# Altium PCB Motion Detector PCB.PcbDoc (part 2 of 2)
Units mm, origin at the board's own origin, x right, y up, seen from the top; angles counter-clockwise.
Board outline 92 x 100 mm, 4 copper layers (Top Layer, Int1 (GND), Int2 (PWR), Bottom Layer), stack 1.369 mm thick; 127 components, 88 nets, 449 pads, 113 vias.
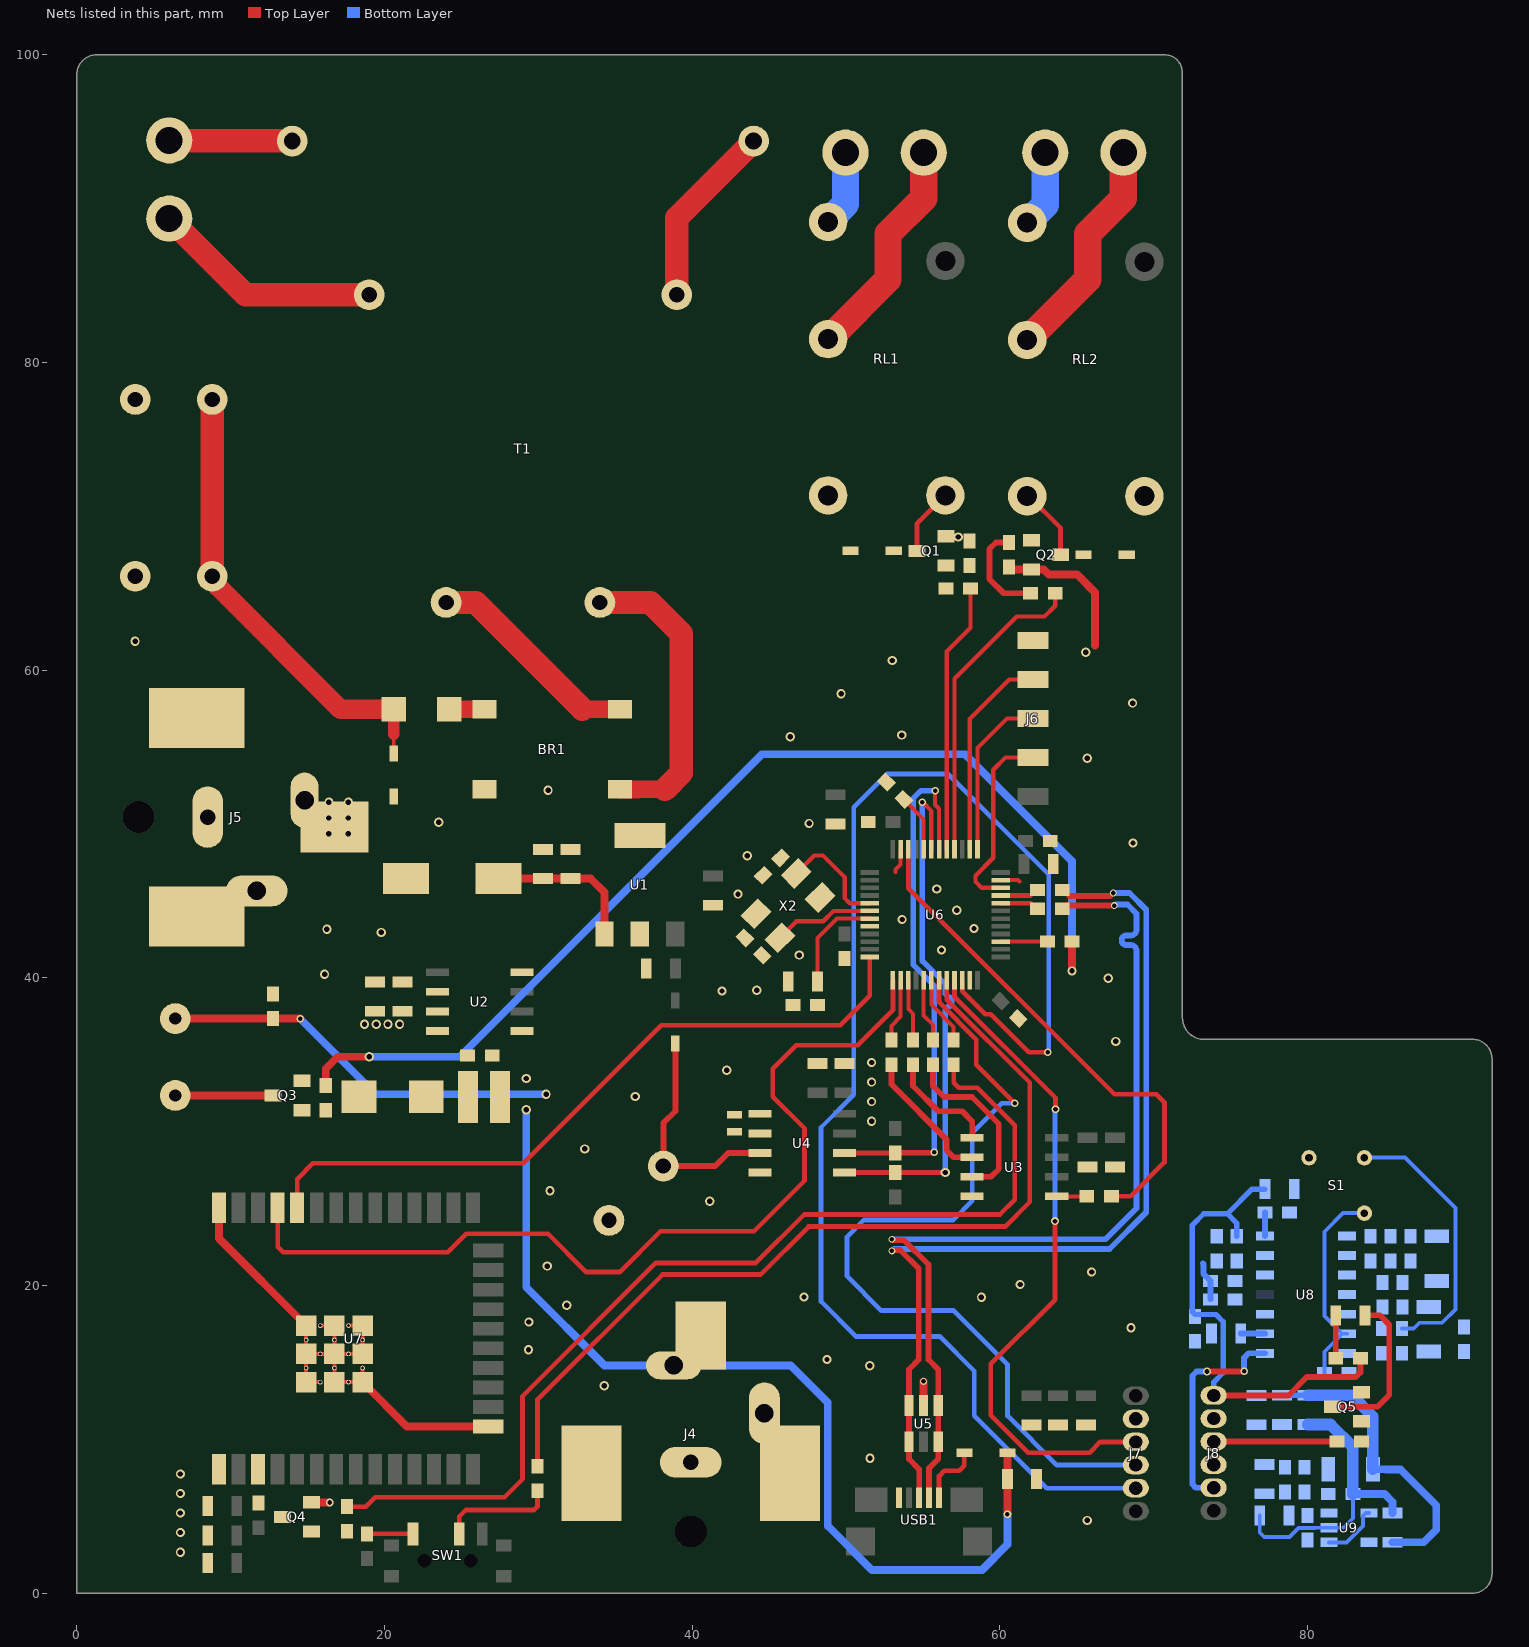
[diagram p4: the nets of this part, all layers, seen from the top]

## Via types
v1: diameter 0.6, hole 0.35, Top Layer to Bottom Layer, tented both sides, 93 vias
v2: diameter 0.5, hole 0.3, Top Layer to Bottom Layer, tented both sides, 13 vias
v3: diameter 0.45, hole 0.3, Top Layer to Bottom Layer, tented both sides, 6 vias
v4: diameter 0.5, hole 0.35, Top Layer to Bottom Layer, tented both sides, 1 vias

## Nets (pads, with @x,y where several pads share a name; then routed paths per layer and width w, separated by ;. In a path a pad name is that pad's centre, name@x,y a point inside that pad or via, vN(x,y) a via of type N, cw(c..) or ccw(c..) an arc to the next point about the centre after c; other vN are vias at no path point) (continued)
3V3DC_S: C36.2 C38.2 C42.1 C43.2 C44.2 C45.2 J8.1 R25.2 R26.2 R28.2 RT1.2 U8.14 U9.5 | length 57.2
  Top Layer w0.381: J8.1@73.9,12.85 73.902,12.852 78.765,12.852 79.959,14.046 83.134,14.046 83.439,14.351 R25.2@83.439,15.265
  Bottom Layer w0.351: R26.2@75.4,23.2 75.4,24.064 74.8,24.663 ; C38.2@77.241,26.264 76.4,26.264 74.8,24.663 ; C45.2@80.01,12.863 C44.2@78.359,12.863 78.346,12.85 C43.2@76.683,12.85 J8.1@73.9,12.85 73.9,13.702 74.524,14.326 74.524,17.633 74.042,18.115 72.698,18.115 72.516,18.297 72.516,23.923 73.256,24.663 74.8,24.663
  Bottom Layer w0.381: U8.14@77.24,23.21 C36.2@77.24,24.74
  Bottom Layer w0.508: RT1.2@84.25,8.05 85.081,8.05 85.105,8.026 86.055,8.026 88.367,5.715 88.367,4.115 87.554,3.302 C42.1@85.522,3.302
  Bottom Layer w0.762: C45.2@80.01,12.863 82.87,12.863 84.25,11.483 RT1.2@84.25,8.05
5VDC: BZ1.2 C3.2 C4.2 C5.2 C10.1 C15.2 D2.1 J4.1 L1.2 U1.1 U2.4 | length 97.9
  Top Layer w0.508: BZ1.2@6.4,37.35 C15.2@12.755,37.35 14.517,37.35 v2(14.529,37.338) ; C10.1@27.4,46.45 C5.2@30.3,46.45 C4.2@32.1,46.45 33.408,46.45 34.3,45.558 U1.1@34.3,42.85 ; v2(60.493,5.121) C3.2@60.493,7.417 60.493,8.475 D2.1@60.493,9.131
  Bottom Layer w0.508: v2(14.529,37.338) 19.431,32.436 v1(30.505,32.436) ; v1(29.21,31.42) 29.21,19.888 34.298,14.8 46.409,14.8 48.521,12.687 48.819,12.39 48.819,4.369 51.683,1.505 58.839,1.505 60.493,3.159 v2(60.493,5.121)
  other v1: 29.21,33.452
12VDC: C6.2 C7.2 D1.1 D4.1 D5.1 J5.1 RL1.5 RL2.4 U2.7 | length 0
  Top Layer w0.508: RL2.4@69.4,71.303 RL2.4@69.4,71.31
  other v1: 18.694,36.982 19.456,36.982 20.218,36.982 20.98,36.982 16.383,49.378 17.653,49.378 16.383,50.394 17.653,50.394 16.383,51.41 17.653,51.41
AC_LINE_1: J1.1 R1.1 | length 8
  Top Layer w1.524: J1.1@6,94.44 6.02,94.42 13.98,94.42 R1.1@14,94.4
AC_LINE_2: J1.2 T1.5 | length 15.1
  Top Layer w1.524: J1.2@6,89.36 10.96,84.4 T1.5@19,84.4
BUZZER: R12.1 R17.2 | length 70
  Top Layer w0.508: R12.1@16.18,32.995 16.18,34.087 16.967,34.874 v1(18.999,34.874) ; v1(64.694,40.45) R17.2@64.694,42.35
  Bottom Layer w0.508: v1(18.999,34.874) 24.879,34.874 44.544,54.539 57.741,54.539 64.694,47.587 v1(64.694,40.45)
GND: BR1.4 C1.2 C2.2 C3.1 C4.1 C5.1 C6.1 C7.1 C8.1 C9.1 C10.2 C12.1 C13.2 C14.2 C15.1 C16.2 C17.2 C18.1 C19.1 C20.1 C21.1 C22.1 C23.1 C24.1 C25.1 C26.1 C27.1 C28.1 C29.1 C30.1 C31.1 C32.1 D3.A J4.2 J4.3 J5.2 J5.3 J6.5 J7.2 Q1.2 Q2.2 Q3.2 Q4.2 R6.2 R7.2 R16.1 R18.1 U1.2 U2.6 U3.4 U4.4 U5.2 U6.8 U6.23 U6.35 U6.47 U7.1 U7.15 U7.38 U7.39 USB1.5 X2.2 X2.4 | length 53.1
  Top Layer w0.254: U7.39@14.905,17.385 U7.39@14.905,16.467 U7.39@14.905,15.55 ; U7.39@15.822,13.715 U7.39@14.905,13.715 U7.39@14.905,14.632 U7.39@14.905,15.55 ; U7.39@15.822,17.385 U7.39@16.74,17.385 U7.39@16.74,16.467 U7.39@16.74,15.55 ; U7.39@17.657,17.385 U7.39@18.575,17.385 U7.39@18.575,16.467 U7.39@18.575,15.55 U7.39@17.657,15.55 U7.39@16.74,15.55 ; U7.39@18.575,14.632 U7.39@18.575,13.715 U7.39@17.657,13.715 U7.39@16.74,13.715 U7.39@16.74,14.632 U7.39@16.74,15.55 ; 53.213,46.863 53.213,47.032 53.55,47.369 U6.47@53.55,48.35 ; U6.35@60.05,46.35 61.194,46.35 61.29,46.253 ; U7.39@14.905,15.55 U7.39@15.822,15.55 U7.39@16.74,15.55
  Top Layer w0.508: U7.38@9.24,25.05 9.24,23.05 U7.39@14.905,17.385 ; Q4.2@15.245,5.9 16.433,5.9 v2(16.44,5.893) ; U7.39@18.575,13.715 21.455,10.835 U7.15@26.75,10.835 ; U5.2@55.042,12.192 v3(55.042,13.767) ; R7.2@60.6,66.7 60.6,66.69 60.74,66.55 Q2.2@62.055,66.55 62.859,66.55 63.191,66.218 65.024,66.218 66.192,65.049 66.192,61.595
  other v1: 6.731,2.661 6.731,3.937 65.684,4.724 6.731,5.207 6.731,6.477 6.731,7.747 51.562,8.763 34.29,13.487 51.537,14.783 48.768,15.189 29.362,15.824 68.529,17.247 29.388,17.628 31.852,18.72 58.801,19.228 47.269,19.253 61.316,20.066 65.964,20.879 30.582,21.26 41.148,25.476 30.759,26.162 33.02,28.88 51.664,30.683 51.664,31.953 36.297,32.283 51.664,33.223 42.24,33.985 51.664,34.493 67.539,35.865 41.935,39.141 44.196,39.192 67.056,39.98 16.104,40.234 46.965,41.478 56.21,41.808 19.787,42.951 16.256,43.155 58.318,43.205 53.645,43.79 57.201,44.399 42.977,45.441 55.905,45.771 43.586,47.93 68.656,48.768 47.6,50.038 23.52,50.114 30.632,52.197 65.684,54.28 46.38,55.677 53.619,55.778 68.631,57.861 49.682,58.471 53.01,60.63 65.583,61.163 3.785,61.874 57.302,68.656
GND_S: C36.1 C37.1 C38.1 C40.1 C41.1 C42.2 C43.1 C44.1 C45.1 C46.1 C47.1 J8.2 Q5.2 R30.1 R31.1 R32.1 R33.1 R37.1 S1.3 U8.7 U9.2 | length 22
  Bottom Layer w0.254: C46.1@76.9,5.05 76.9,3.948 77.191,3.658 78.839,3.658 79.418,4.237 80.456,4.237 80.469,4.25 U9.2@81.4,4.25 82.331,4.25 82.95,4.869 R37.1@82.95,6.45
  Bottom Layer w0.381: 73.215,21.419 73.231,21.403 73.231,20.768 R30.1@73.7,20.3 R31.1@73.7,19.1
  Bottom Layer w0.508: R37.1@82.95,6.45 85.005,6.45 85.522,5.933 C42.2@85.522,5.202
  Bottom Layer w0.762: C45.1@80.01,10.963 81.493,10.963 82.95,9.506 R37.1@82.95,6.45
LED_DRIVER: J7.3 U6.21 | length 43.5
  Top Layer w0.305: U6.21@57.05,39.85 57.05,38.772 63.621,32.201 v2(63.621,31.464) ; v2(63.589,24.187) 63.589,19.082 59.411,14.903 59.411,11.563 61.842,9.132 65.838,9.132 66.531,9.825 J7.3@68.838,9.825
  Bottom Layer w0.305: v2(63.589,24.187) 63.589,31.432 v2(63.621,31.464)
LED_S: J8.3 R29.1 | length 8
  Top Layer w0.381: J8.3@73.9,9.85 81.046,9.85 81.051,9.855 R29.1@81.915,9.855
LIGHT_1_GND: J3.2 RL1.3 | length 5
  Bottom Layer w1.778: RL1.3@48.84,89.14 48.84,89.187 49.97,90.317 J3.2@49.97,93.65
LIGHT_1_VCC: J3.1 RL1.2 | length 14.7
  Top Layer w1.778: RL1.2@48.84,81.52 52.73,85.41 52.73,88.367 55.05,90.686 J3.1@55.05,93.65
LIGHT_2_GND: J2.2 RL2.3 | length 5.1
  Bottom Layer w1.778: RL2.3@61.78,89.09 62.95,90.26 62.95,93.514 62.916,93.548 62.95,93.582 J2.2@62.95,93.65
LIGHT_2_VCC: J2.1 RL2.2 | length 14.7
  Top Layer w1.778: RL2.2@61.82,81.52 65.71,85.41 65.71,88.367 68.03,90.686 J2.1@68.03,93.65
MCU_N: R13.1 U6.32 | length 2.6
  Top Layer w0.305: U6.32@60.05,44.841 62.017,44.841 62.37,44.488 R13.1@62.459,44.488
MCU_P: R14.1 U6.33 | length 2.6
  Top Layer w0.305: U6.33@60.05,45.354 62.017,45.354 62.37,45.707 R14.1@62.459,45.707
NetBR1_1: BR1.1 T1.9 | length 19.6
  Top Layer w1.143: BR1.1@35.3,52.245 36.456,52.245 ; 36.459,52.248 38.227,52.248
  Top Layer w1.524: T1.9@34,64.4 37.276,64.4 39.294,62.382 39.294,53.315 38.227,52.248
NetBR1_2: BR1.2 T1.7 | length 14.2
  Top Layer w1.143: 32.867,57.455 BR1.2@35.3,57.455
  Top Layer w1.524: T1.7@24,64.4 25.922,64.4 32.867,57.455
NetBR1_3: BR1.3 F1.1 | length 2.3
  Top Layer w1.143: F1.1@24.206,57.455 25.344,57.455 BR1.3@26.5,57.455
NetBZ1_1: BZ1.1 Q3.3 | length 6.4
  Top Layer w0.508: BZ1.1@6.4,32.35 Q3.3@12.755,32.35
NetC1_1: C1.1 C2.1 D1.2 F1.2 | length 29.9
  Top Layer w0.254: D1.2@20.599,54.588 20.599,55.829
  Top Layer w0.762: 20.599,55.829 20.599,56.267 20.606,56.274 F1.2@20.606,57.455
  Top Layer w1.27: C2.1@8.8,66.1 8.8,65.902 9.165,65.537 9.165,65.435 17.145,57.455 F1.2@20.606,57.455
  Top Layer w1.524: C2.1@8.8,66.1 C1.1@8.8,77.6
NetC11_1: C11.1 U2.1
NetC11_2: C11.2 D3.C L1.1 U2.8
NetC17_1: C17.1 D6.1 U4.3 | length 14.9
  Top Layer w0.381: D6.1@38.913,35.732 38.913,31.344 38.125,30.556 38.125,27.767 C17.1@38.128,27.765 41.493,27.765 42.344,28.615 U4.3@44.4,28.615
NetC18_2: C18.2 U6.5 X2.3 | length 7.4
  Top Layer w0.279: X2.3@46.762,46.78 47.93,47.949 48.508,47.949 49.911,46.545 49.911,45.187 50.248,44.85 U6.5@51.55,44.85
NetC19_2: C19.2 U6.6 X2.1 | length 6.6
  Top Layer w0.279: X2.1@45.701,42.608 46.774,43.682 48.527,43.682 49.195,44.35 U6.6@51.55,44.35
NetC33_1: C33.1 R23.1 R24.2 U8.2
NetC33_2: C33.2 R23.2 U8.1
NetC34_1: C34.1 R24.1
NetC34_2: C34.2 C35.1 R27.2 U8.3
NetC35_2: C35.2 C39.2 R27.1 U8.4
NetC37_2: C37.2 R26.1 U8.13
NetC39_1: C39.1 R32.2
NetC40_2: C40.2 S1.1 U8.6 | length 13.6
  Bottom Layer w0.254: C40.2@81.1,14.3 81.1,15.692 82.097,16.689 82.097,16.697 U8.6@82.26,16.86 ; U8.6@82.56,16.86 U8.6@82.26,16.86 ; S1.1@83.7,24.7 82.307,24.7 81.102,23.495 81.102,18.018 81.701,17.419 U8.6@82.26,16.86
NetC41_2: C41.2 R33.2 S1.2 U8.5 | length 17.9
  Bottom Layer w0.254: S1.2@83.7,28.3 83.721,28.321 86.335,28.321 89.611,25.044 89.611,18.44 88.748,17.577 87.292,17.577 86.911,17.196 C41.2@86.136,17.196
NetC46_2: C46.2 R34.1 R35.2 R36.1
NetD2_2: D2.2 USB1.1 | length 4.2
  Top Layer w0.305: USB1.1@56.05,6.2 56.05,7.612 56.401,7.963 57.366,7.963 57.693,8.29 D2.2@57.693,9.131
NetD4_2: D4.2 Q1.3 RL1.4 | length 4.4
  Top Layer w0.305: Q1.3@54.61,67.75 54.61,69.51 RL1.4@56.46,71.36
NetD5_2: D5.2 Q2.3 RL2.5 | length 4.8
  Top Layer w0.305: RL2.5@61.78,71.31 61.895,71.31 63.945,69.26 Q2.3@63.945,67.5
NetD7_1: D7.1 Q5.3 | length 10.4
  Top Layer w0.381: Q5.3@81.636,12.116 84.557,12.116 85.319,12.878 85.319,17.45 84.709,18.059 D7.1@83.739,18.059
NetD7_2: D7.2 R25.1 | length 2.8
  Top Layer w0.381: R25.1@81.839,15.265 D7.2@81.839,18.059
NetD8_1: D8.1 U8.9 | length 1.6
  Bottom Layer w0.381: D8.1@75.663,16.873 77.227,16.873 U8.9@77.24,16.86
NetD8_2: D8.2 R28.1
NetQ1_1: Q1.1 R4.1 R6.1
NetQ2_1: Q2.1 R5.1 R7.1 | length 6.5
  Top Layer w0.381: R7.1@60.6,68.3 59.747,68.3 59.322,67.875 59.322,65.926 60.247,65 R5.1@62,65
NetQ3_1: Q3.1 R12.2
NetQ4_1: Q4.1 R22.2
NetQ5_1: Q5.1 R29.2
NetR1_2: R1.2 T1.1 | length 12.1
  Top Layer w1.524: T1.1@39,84.4 39,89.4 R1.2@44,94.4
NetR2_2: R2.2 SW1.1 | length 3
  Top Layer w0.279: R2.2@18.85,3.85 SW1.1@21.85,3.85
NetR3_2: R3.2 SW1.2 | length 7.5
  Top Layer w0.305: SW1.2@24.85,3.85 24.85,4.981 25.273,5.404 29.712,5.404 29.947,5.639 29.947,5.783 29.95,5.786 R3.2@29.95,6.65
NetR4_2: R4.2 U6.41 | length 17.6
  Top Layer w0.279: U6.41@56.55,48.35 56.55,61.211 58.1,62.761 R4.2@58.1,65.3
NetR5_2: R5.2 U6.40 | length 20.4
  Top Layer w0.279: U6.40@57.05,48.35 57.05,59.438 61.1,63.487 62.903,63.487 63.6,64.184 R5.2@63.6,65
NetR8_2: R8.2 U3.1 | length 7.3
  Top Layer w0.374: R8.2@54.35,34.35 54.35,32.969 55.994,31.325 57.556,31.325 58.2,30.681 U3.1@58.2,29.605
NetR9_2: R9.2 U3.3 | length 11.6
  Top Layer w0.374: R9.2@55.65,34.35 55.65,32.971 56.375,32.245 58.191,32.245 59.938,30.499 59.938,27.578 59.425,27.065 U3.3@58.2,27.065
NetR10_2: R10.2 U3.2 | length 8.9
  Top Layer w0.374: R10.2@52.95,34.35 52.95,33.08 56.553,29.477 56.553,28.778 56.996,28.335 U3.2@58.2,28.335
NetR11_2: R11.2 U3.5 | length 1.9
  Top Layer w0.254: U3.5@63.7,25.795 R11.2@65.645,25.795
NetR15_1: R15.1 U6.18 | length 4.5
  Top Layer w0.254: U6.18@55.55,39.85 55.55,38.26 57,36.81 R15.1@57,35.95
NetR17_1: R17.1 U6.27 | length 3
  Top Layer w0.254: U6.27@60.05,42.35 R17.1@63.094,42.35
NetR18_2: R18.2 U6.44 | length 3.8
  Top Layer w0.254: R18.2@53.759,51.6 55.05,50.309 U6.44@55.05,48.35
NetR30_2: R30.2 U8.12
NetR31_2: R31.2 U8.10
NetR35_1: R35.1 U9.1 U9.4 | length 3.8
  Bottom Layer w0.254: U9.1@81.4,3.3 82.548,3.3 83.617,4.369 83.617,5.027 83.79,5.2 U9.4@84,5.2
NetR37_2: R37.2 RT1.1 U9.3
NetU4_1: U4.1 X1.2
NetU4_2: U4.2 X1.1
NRST: C20.2 R16.2 U6.7 | length 6.8
  Top Layer w0.254: C20.2@48.15,39.75 48.15,42.587 49.413,43.85 U6.7@51.55,43.85
PIR_DETECT: J8.5 U8.8 | length 14.3
  Top Layer w0.381: v2(73.466,14.404) 73.474,14.412 v2@75.842,14.412
  Bottom Layer w0.381: v2(73.466,14.404) 72.79,14.404 72.52,14.134 72.52,7.073 72.743,6.85 J8.5@73.9,6.85 ; v2(75.882,14.421) 75.882,15.3 76.173,15.59 U8.8@77.24,15.59
PIR_DETECTOR: J7.5 U6.22 | length 96
  Top Layer w0.305: U6.22@57.55,39.85 57.552,39.848 57.552,39.131 59.059,37.624 59.417,37.624 61.881,35.16 v2(63.113,35.16)
  Bottom Layer w0.305: v2(63.113,35.16) 63.15,35.197 63.15,35.324 63.176,35.35 63.176,46.717 56.648,53.245 52.648,53.245 50.495,51.092 50.495,32.391 48.374,30.27 48.374,18.961 50.648,16.688 56.09,16.688 58.337,14.44 58.337,11.532 63.044,6.825 J7.5@68.838,6.825
RTC_SCL: R19.1 U4.6 U6.42 | length 35
  Top Layer w0.279: v2(55.804,52.172) 55.792,52.16 55.792,51.249 56.05,50.991 U6.42@56.05,48.35
  Top Layer w0.349: U4.6@49.9,28.615 52.424,28.615 52.426,28.613 R19.1@53.2,28.613 53.219,28.632 55.709,28.632 v2(55.728,28.651)
  Bottom Layer w0.349: v2(55.728,28.651) 55.728,39.493 54.363,40.858 54.363,51.659 54.876,52.172 v2(55.804,52.172)
RTC_SDA: R20.1 U4.5 U6.43 | length 35
  Top Layer w0.279: v2(54.966,51.41) 54.985,51.41 55.55,50.844 U6.43@55.55,48.35
  Top Layer w0.349: U4.5@49.9,27.345 52.424,27.345 52.426,27.343 R20.1@53.2,27.343 v1(56.451,27.343)
  Bottom Layer w0.349: v2(54.966,51.41) 54.966,41.084 56.451,39.599 56.451,38.951 56.656,38.746 56.749,38.746 56.87,38.625 56.87,38.263 56.749,38.143 56.656,38.143 56.451,37.938 56.451,37.16 v1(56.451,27.343)
SENSOR_ON/OFF: R3.1 U6.20 | length 58.3
  Top Layer w0.305: R3.1@29.95,8.25 29.95,12.589 38.075,20.714 44.45,20.714 47.568,23.832 60.35,23.832 61.944,25.425 61.944,33.195 56.55,38.589 U6.20@56.55,39.85
SWCLK: J6.3 U6.37 | length 11
  Top Layer w0.279: U6.37@58.55,48.35 58.55,54.943 60.465,56.858 J6.3@62.154,56.858
SWDIO: J6.2 U6.34 | length 12.5
  Top Layer w0.279: U6.34@60.05,45.85 58.817,45.85 58.414,46.253 58.414,46.641 59.576,47.803 59.576,53.53 60.363,54.318 J6.2@62.154,54.318
TDI: J6.4 U6.38 | length 13.6
  Top Layer w0.279: U6.38@58.05,48.35 58.05,56.831 60.617,59.398 J6.4@62.154,59.398
TEMPERATURE_ADC: J7.4 U6.19 | length 55.5
  Top Layer w0.305: U6.19@56.05,39.85 56.05,38.407 58.471,35.986 58.471,34.347 v2(60.966,31.852)
  Bottom Layer w0.305: v2(60.966,31.852) 60.134,31.852 58.217,29.934 58.217,25.514 56.959,24.257 51.156,24.257 50.07,23.171 50.07,20.606 52.305,18.371 56.991,18.371 60.503,14.859 60.503,11.519 63.696,8.325 J7.4@68.838,8.325
TMP_ADC: C47.2 J8.4 R34.2 R36.2
TMP_IN_CS: R10.1 U6.14 | length 4.1
  Top Layer w0.254: R10.1@52.95,35.95 52.95,36.881 53.55,37.481 U6.14@53.55,39.85
TMP_IN_OT: R11.1 U6.46 | length 33.2
  Top Layer w0.305: U6.46@54.05,48.35 54.052,48.348 54.052,45.833 67.456,32.429 70.18,32.429 70.701,31.909 70.701,27.997 68.504,25.8 R11.1@67.25,25.8
TMP_IN_SCKL: R8.1 U6.15 | length 4
  Top Layer w0.254: U6.15@54.05,39.85 54.05,37.961 54.35,37.661 R8.1@54.35,35.95
TMP_IN_SIO: R9.1 U6.17 | length 4.1
  Top Layer w0.254: U6.17@55.05,39.85 55.05,37.55 55.65,36.95 R9.1@55.65,35.95
USB_N: R13.2 U5.1 U5.6 USB1.2 | length 61.1
  Top Layer w0.374: v3@52.997,22.942 53.778,22.942 55.356,21.364 55.356,15.178 55.992,14.542 U5.1@55.992,12.192 U5.6@55.992,9.842 55.992,8.714 55.389,8.112 55.389,6.211 USB1.2@55.4,6.2 ; R13.2@64.059,44.488 64.265,44.695 64.97,44.695 64.971,44.696 v3(67.441,44.696)
  Bottom Layer w0.374: v3@53.018,23.005 66.865,23.005 68.885,25.025 68.885,41.567 68.885,41.754 ccw(c68.511,41.754) 68.511,42.128 68.238,42.128 cw(c68.238,42.442) 68.238,42.756 68.511,42.756 ccw(c68.511,43.13) 68.885,43.13 68.885,43.707 68.885,44.172 68.294,44.763 67.542,44.763 67.475,44.696 v3(67.441,44.696)
  other v3: 52.984,23.005
USB_P: R14.2 U5.3 U5.4 USB1.3 | length 61.1
  Top Layer w0.374: v3@52.997,22.314 53.518,22.314 54.728,21.104 54.728,15.178 54.092,14.542 U5.3@54.092,12.192 U5.4@54.092,9.842 54.092,8.714 54.761,8.045 54.761,6.211 USB1.3@54.75,6.2 ; R14.2@64.059,45.707 64.148,45.707 64.531,45.324 67.16,45.324 67.353,45.517 v3(67.373,45.517)
  Bottom Layer w0.374: v3(52.984,22.251) 53.018,22.251 53.144,22.377 67.125,22.377 69.513,24.764 69.513,44.432 68.428,45.517 v3(67.373,45.517)
WIFI_EN: R15.2 R22.1 | length 65.9
  Top Layer w0.305: R22.1@17.57,5.62 18.771,5.62 19.393,6.242 27.8,6.242 28.969,7.41 28.969,12.789 37.643,21.463 44.139,21.463 47.288,24.613 60.008,24.613 60.966,25.571 60.966,30.429 58.547,32.849 57.328,32.849 57,33.176 R15.2@57,34.35
WIFI_OUT: Q4.3 R21.2 U7.3
WIFI_RXD: U6.12 U7.34 | length 46.6
  Top Layer w0.305: U7.34@14.32,25.05 14.32,26.918 15.348,27.946 29.019,27.946 37.986,36.913 49.638,36.913 51.55,38.825 U6.12@51.55,41.35
WIFI_TXD: U6.13 U7.35 | length 60.4
  Top Layer w0.305: U7.35@13.05,25.05 13.05,22.523 13.418,22.155 24.105,22.155 25.305,23.355 30.626,23.355 33.109,20.872 35.293,20.872 37.941,23.52 44.018,23.52 47.301,26.803 47.301,30.207 45.231,32.277 45.231,34.087 46.755,35.611 50.775,35.611 53.05,37.886 U6.13@53.05,39.85
pads on no net: J4. J5. J7.6 J8.6 RL1.1 RL2.1 SW1. SW1.3 U2.2 U2.3 U2.5 U3.6 U3.7 U4.7 U6.1 U6.2 U6.3 U6.4 U6.10 U6.11 U6.16 U6.25 U6.26 U6.28 U6.29 U6.30 U6.31 U6.39 U6.45 U7.4 U7.5 U7.6 U7.7 U7.8 U7.9 U7.10 U7.11 U7.12 U7.13 U7.14 U7.16 U7.17 U7.18 U7.19 U7.20 U7.21 U7.22 U7.23 U7.24 U7.25 U7.26 U7.27 U7.28 U7.29 U7.30 U7.31 U7.32 U7.33 U7.36 U7.37 U8.11 USB1. USB1.4

## Polygon pours and split planes (outlines as drawn)
GND on Top Layer "GND_L01_P011" (solid, pour order 11): 6.375,77.648 6.375,79.096 4.547,80.924 2.438,80.924 1.575,80.061 1.575,32.868 7.671,26.772 26.899,26.772 28.169,25.502 28.169,12.675 30.963,9.881 30.963,2.235 32.004,1.194 68.936,1.194 71.349,3.607 71.349,61.239 69.494,63.094 48.641,63.094 41.326,55.778 15.291,55.778 6.426,64.643 6.426,66.929
GND_S on Top Layer "GND_S_L01_P017" (solid, pour order 17): 72.194,34.857 72.63,35.293 90.685,35.293 91.246,34.732 91.246,1.288 90.698,0.739 72.915,0.739 72.266,1.389
GND on Top Layer "Top Layer-GND" (solid, pour order 10): 19.409,11.922 20.406,12.919 20.406,18.463 19.212,19.656 14.145,19.523 6.191,11.569 6.191,2.255 7.233,1.276 9.69,1.276 9.69,10.992 10.62,11.922
3V3DC on Top Layer "3V3DC_L01_P006" (solid, pour order 6): 52.578,49.771 53.524,49.771 53.524,50.652 51.533,52.643 44.117,52.643 38.088,46.614 38.088,37.997 38.243,37.883 39.563,37.883 39.918,38.238 39.918,45.489 40.617,46.188 42.107,46.188 42.107,47.982 45.255,51.13 52.07,51.13 52.578,50.622
5VDC on Top Layer "5VDC_L01_P000" (solid, pour order 0): 26.821,34.188 26.848,30.531 30.531,30.531 32.683,32.683 32.683,41.713 29.108,45.288 29.108,47.904 28.727,48.285 26.035,48.285 25.273,47.523 25.273,42.113 27.416,39.649 30.455,39.649 30.582,39.522 30.582,34.544 30.274,34.188
GND_S on Bottom Layer "GND_S_L04_P016" (solid, pour order 16): 72.144,34.866 72.58,35.302 90.635,35.302 91.196,34.741 91.196,1.297 90.648,0.748 72.865,0.748 72.215,1.398
GND on Bottom Layer "Bottom Layer-GND" (solid, pour order 15): 5.613,2.261 6.883,0.991 68.478,0.991 71.196,3.708 71.349,61.239 69.571,63.017 69.571,63.068 48.717,63.068 41.377,55.728 9.617,55.728 5.766,60.203 5.766,78.588 4.775,79.578 1.981,79.553 1.422,78.994 1.422,45.974 20.726,26.67 26.924,26.67 26.924,26.492 28.092,25.324 28.092,6.35 6.604,6.35 5.613,5.359
5VDC on Int2 (PWR) (split plane): 30.387,34.807 32.053,33.141 32.053,31.934 28.736,28.617 28.688,28.559 28.653,28.493 28.631,28.421 28.624,28.346 28.624,27.229 28.624,25.552 28.631,25.478 28.653,25.406 28.688,25.34 28.736,25.282 32.724,21.294 32.782,21.246 32.848,21.211 32.92,21.189 32.995,21.182 36.341,21.182 41.4,16.123 41.4,12.808 41.345,12.753 37.846,12.753 37.771,12.745 37.699,12.724 37.633,12.688 37.575,12.641 34.893,9.959 30.537,9.959 30.37,10.126 25.808,14.687 25.808,32.639 25.808,33.522 27.159,34.872 30.321,34.872
3V3DC_S on Int2 (PWR) (split plane): 72.546,35.635 72.723,35.572 72.905,35.526 73.091,35.499 73.276,35.49 73.279,35.49 90.73,35.49 90.743,35.491 90.849,35.482 90.965,35.455 91.076,35.409 91.178,35.346 91.269,35.269 91.346,35.178 91.409,35.076 91.455,34.965 91.482,34.849 91.491,34.743 91.49,34.73 91.49,1.27 91.491,1.257 91.482,1.151 91.455,1.035 91.409,0.924 91.346,0.822 91.269,0.731 91.178,0.654 91.076,0.591 90.965,0.545 90.849,0.518 90.743,0.509 90.73,0.51 72.036,0.51 72.036,35.347 72.396,35.707
12VDC on Int2 (PWR) (split plane): 50.721,73.111 50.721,72.295 50.721,70.256 50.731,70.183 50.751,70.135 50.759,70.115 50.804,70.057 54.182,66.679 54.24,66.634 54.26,66.626 54.308,66.606 54.381,66.596 64.313,66.596 64.386,66.606 64.434,66.626 64.454,66.634 64.512,66.679 67.865,70.032 67.91,70.09 67.918,70.11 67.938,70.158 67.947,70.231 67.947,72.781 68.494,73.327 70.063,73.327 70.762,72.629 70.762,67.046 58.119,54.403 23.768,54.403 23.695,54.393 23.627,54.365 23.569,54.32 19.308,50.059 19.263,50.001 19.255,49.981 19.235,49.933 19.225,49.86 19.225,47.117 19.235,47.044 19.255,46.996 19.263,46.976 19.308,46.918 22.273,43.952 22.273,36.515 21.702,35.943 18.303,35.943 16.919,37.328 16.919,45.517 16.909,45.59 16.881,45.658 16.836,45.716 13.388,49.164 13.388,54.188 18.373,59.173 47.041,59.173 47.114,59.183 47.162,59.203 47.182,59.211 47.24,59.256 49.348,61.364 49.393,61.422 49.421,61.49 49.431,61.563 49.431,63.144 49.431,67.107 49.421,67.18 49.393,67.248 49.348,67.306 47.323,69.332 47.323,72.527 48.555,73.759 50.074,73.759
3V3DC on Int2 (PWR) (split plane): 71.364,37.405 71.364,37.401 71.373,37.217 71.401,37.031 71.446,36.849 71.51,36.672 71.526,36.638 70.949,36.061 70.884,35.985 70.832,35.9 70.794,35.808 70.77,35.71 70.762,35.611 70.762,0.51 0.51,0.51 0.51,60.401 37.821,60.401 37.821,60.503 46.457,60.503 46.457,75.082 71.353,75.082
GND_S on Int1 (GND) (split plane): 72.215,35.812 72.376,35.716 72.546,35.635 72.723,35.572 72.905,35.526 73.091,35.499 73.276,35.49 73.279,35.49 90.73,35.49 90.743,35.491 90.849,35.482 90.965,35.455 91.076,35.409 91.178,35.346 91.269,35.269 91.346,35.178 91.409,35.076 91.455,34.965 91.482,34.849 91.491,34.743 91.49,34.73 91.49,1.27 91.491,1.257 91.482,1.151 91.455,1.035 91.409,0.924 91.346,0.822 91.269,0.731 91.178,0.654 91.076,0.591 90.965,0.545 90.849,0.518 90.743,0.509 90.73,0.51 72.011,0.51 72.011,35.804 72.103,35.896
GND on Int1 (GND) (split plane): 6.756,69.825 6.756,58.217 47.142,58.217 47.142,69.825 71.354,69.825 71.364,37.405 71.364,37.401 71.373,37.217 71.401,37.031 71.415,36.975 71.355,36.939 71.279,36.874 70.924,36.518 70.859,36.442 70.806,36.357 70.768,36.265 70.745,36.168 70.737,36.068 70.737,0.51 0.51,0.51 0.51,6.452 5.283,6.452 5.283,27.711 5.232,27.711 5.232,27.864 0.51,27.864 0.51,80.086 6.756,80.086

## Keep-outs
Top Layer:
  circle w0.254: c65.418,37.732 r0.905
Keep-Out Layer:
  lines w0.254: 0,0 0,98.73 ; 0,0 90.73,0 ; 0,0 90.73,0 ; 0,98.73 cw(c1.27,98.73) 1.27,100 ; 0,98.73 cw(c1.27,98.73) 1.27,100 ; 1.27,100 70.732,100 ; 1.27,100 70.732,100 ; 70.732,100 cw(c70.732,98.876) 71.856,98.876 ; 70.732,100 cw(c70.732,98.876) 71.856,98.876 ; 71.856,98.876 71.874,37.405 ; 71.856,98.876 71.874,37.405 ; 71.874,37.405 ccw(c73.279,37.405) 73.279,36 ; 71.874,37.405 ccw(c73.279,37.405) 73.279,36 ; 73.279,36 90.73,36 ; 73.279,36 90.73,36 ; 90.73,0 ccw(c90.73,1.27) 92,1.27 ; 90.73,0 ccw(c90.73,1.27) 92,1.27 ; 90.73,36 cw(c90.73,34.73) 92,34.73 ; 90.73,36 cw(c90.73,34.73) 92,34.73 ; 92,1.27 92,34.73 ; 92,1.27 92,34.73

## Other copper
Top Layer:
  region: 65.915,37.725 ccw(c65.415,37.725) 65.415,38.225 ccw(c65.415,37.725) 64.915,37.725 ccw(c65.415,37.725) 65.415,37.225 ccw(c65.415,37.725)
  region net 3V3DC_S: 74.93,13.005 74.342,13.593 73.334,13.593 73,13.259 73,12.548 73.33,12.217 74.447,12.217 74.93,12.7
  region net NetU4_2: 43.142,29.766 43.777,29.766 43.777,30.118 43.142,30.118
  region net LED_S: 74.93,10.005 74.473,10.462 73.203,10.462 73,10.259 73,9.548 73.33,9.217 74.447,9.217 74.93,9.7
  region net GND_S: 74.93,11.505 74.473,11.962 73.203,11.962 73,11.759 73,11.048 73.33,10.717 74.447,10.717 74.93,11.2
  region net NetQ5_1: 83.058,10.211 83.058,10.846 83.972,10.846 83.972,10.211
  pour cut-out: 61.059,46.228 60.579,45.748 60.579,44.298 61.062,43.815 67.793,43.815 68.25,44.272 68.25,45.568 67.589,46.228
  region net 3V3DC: 58.674,39.294 60.122,37.846 60.173,37.846 60.706,38.379 60.706,38.481 58.75,40.437 58.445,40.437 58.445,39.294
  region net GND: 55.982,68.199 57.226,68.199 57.455,67.97 58.395,67.97 58.395,68.809 58.115,69.088 55.982,69.088
  region net 3V3DC: 14.354,2.829 14.592,2.591 14.592,1.918 14.364,1.689
  region net 3V3DC: 12.205,3.569 12.205,3.315 12.287,3.232 12.459,3.232
  region net 3V3DC: 12.236,3.283 14.097,3.283 14.395,2.984 14.395,1.257 12.236,1.257
  region net NetQ4_1: 15.773,4.388 17.558,4.388 17.558,3.613 15.773,3.613
  region net WIFI_OUT: 11.328,9.061 11.328,5.271 12.471,5.271 12.757,4.985 12.757,4.47 13.989,4.47 13.989,6.09 12.268,6.09 12.255,9.068
  region net 3V3DC: 10.065,1.257 12.236,1.257 12.236,4.731 12.141,4.826 10.954,4.826 10.763,5.016 10.763,6.826 10.973,7.036 10.973,9.055 10.935,9.093 10.065,9.093 10.033,9.061
  region net NetU4_1: 43.123,30.918 43.758,30.918 43.758,31.318 43.682,31.318 43.123,31.318
  region net 3V3DC: 60.623,46.711 62.049,46.725 62.198,46.867 62.198,49.289 62.128,49.359 61.233,49.359 61.138,49.263 61.138,47.06 61.093,46.996 60.623,46.996
  region net NetC18_2: 46.123,48.047 45.501,47.425 45.501,47.419 46.212,46.707 46.212,46.701 46.218,46.701 46.841,47.33
  region net NetC19_2: 44.367,41.91 44.99,41.288 44.996,41.288 45.707,41.999 45.714,41.999 45.714,42.005 45.085,42.628
  region net 12VDC: 49.454,69.259 49.822,68.777 49.822,69.075
  region net 12VDC: 49.822,67.964 50.791,67.964 50.724,72.079 49.822,72.822 47.993,72.822 47.454,72.282 47.485,70.225 49.822,69.075
  region net 12VDC: 67.774,67.748 67.774,72.104 68.624,72.955 69.964,72.955 70.91,72.009 70.91,70.453 68.72,68.263 68.72,67.748
  region net NetQ2_1: 62.56,68.161 62.56,68.694 60.376,68.694 60.376,68.161
  region net NetD5_2: 65.45,67.233 65.45,67.767 63.945,67.767 63.945,67.233
  region net NetQ1_1: 56.233,65.3 56.767,65.3 56.767,67.067 56.233,67.067
  region net NetQ1_1: 56.5,67.067 56.5,66.533 58.35,66.533 58.35,67.067
  region net NetD4_2: 52.743,68.015 52.743,67.481 55.131,67.481 55.131,67.92 55.131,68.015
  region net 3V3DC: 66.893,29.947 65.049,29.947 64.719,29.851 62.954,29.851 62.954,29.363 64.745,29.363 65.049,29.261 66.893,29.261
  region net NRST: 47.816,39.802 47.816,38.202 48.374,38.202 48.4,38.202 48.476,38.202 48.476,39.827
  region net 3V3DC: 61.494,12.274 69.384,12.229 69.688,12.532 69.688,13.193 69.459,13.422 67.177,13.422 66.542,14.057 66.542,14.657 65.822,15.377 61.893,15.377 61.056,14.54 61.056,12.665
  region net 3V3DC: 50.463,30.79 50.593,30.79 50.788,30.985 50.788,32.762 50.471,33.079 46.184,33.079 46.184,32.176 48.291,30.784
  region net NetQ3_1: 14.62,31.75 16.18,31.75 16.18,31.039 14.62,31.039
  region net NetC11_1: 26.594,35.458 26.441,35.331 26.441,34.595 26.543,34.493 29.439,34.493 29.718,34.773 29.718,36.805 29.667,36.855 28.194,36.855
  region net NetC11_2: 22.682,36.83 22.682,34.493 21.539,33.35 21.539,31.14 22.149,30.531 26.086,30.531 26.086,33.96 25.908,34.138 25.908,35.382 25.095,35.382 24.232,36.246 24.232,36.83
  region net 12VDC: 18.288,38.202 21.844,38.202 21.946,38.1 24.206,38.1 24.257,38.049 24.257,37.541 22.733,37.541 22.25,37.541 21.107,36.398 18.288,36.398
  region net 12VDC: 20.904,52.349 20.904,51.232 20.295,51.232 18.999,49.936 18.999,48.108 14.503,48.108 13.843,48.768 13.843,53.289 13.97,53.416 15.392,53.416 16.358,52.349
Bottom Layer:
  region net NetD8_2: 73.711,16.308 73.711,16.756 72.796,16.756 72.796,16.308
  region net GND: 14.096,19.596 14.215,19.618 19.225,19.618 20.381,18.462 20.381,12.216 21.55,11.047 25.324,11.047 25.658,11.381 28.42,11.381 28.42,10.352 28.435,10.338 28.336,10.239 25.669,10.239 25.663,10.245 25.195,10.245 24.835,10.605 24.823,10.593 21.336,10.593 21.336,10.623 20.032,11.927 10.678,11.927 7.52,8.769 7.52,6.238 7.165,5.883 5.838,5.883 5.693,6.028 5.693,11.108 13.051,18.466 13.051,18.885 9.005,22.93 9.005,23.444 8.676,23.773 8.676,24.039 8.686,24.049 8.686,24.758 8.922,24.994 9.549,24.994 9.826,24.717 9.826,23.526 9.806,23.506 13.823,19.657 14.041,19.586
  region net NetR37_2: 81.039,6.582 81.674,6.582 81.674,7.497 81.039,7.497
  region net GND_S: 82.405,14.533 83.04,14.533 83.04,15.448 82.405,15.448
  region net 3V3DC_S: 75.279,24.925 75.279,24.241 75.236,24.199 75.018,24.416 75.018,24.795
  region net NetC37_2: 75.159,21.26 75.159,21.895 74.244,21.895 74.244,21.26
  region net NetC34_1: 87.808,22.86 87.808,23.495 86.893,23.495 86.893,22.86
  region net NetC33_2: 83.972,22.936 83.972,23.47 83.058,23.47 83.058,22.936
  region net NetC33_2: 85.166,22.86 85.166,23.495 84.252,23.495 84.252,22.86
  region net NetC33_1: 85.166,21.26 85.166,21.895 84.252,21.895 84.252,21.26
  region net NetC33_1: 86.614,21.26 86.614,21.895 85.7,21.895 85.7,21.26
  region net NetC33_1: 83.109,21.666 83.49,21.361 83.744,21.184 83.744,21.92 83.744,22.047 83.109,22.073
  region net NetC34_2: 83.007,20.396 83.464,20.396 84.531,19.787 84.531,20.574 83.82,20.93 83.007,20.93
  region net NetC34_2: 86.03,19.888 86.03,20.523 85.115,20.523 85.115,19.888
  region net NetC34_2: 87.655,19.914 87.655,20.549 86.462,20.549 86.462,19.914
  region net NetC35_2: 83.083,19.126 83.541,19.126 84.531,18.136 84.531,19.025 83.896,19.66 83.083,19.66
  region net NetC35_2: 85.979,18.237 85.979,18.872 85.065,18.872 85.065,18.237
  region net NetC35_2: 87.274,18.263 87.274,18.898 86.36,18.898 86.36,18.263
  region net NetC39_1: 89.916,15.354 89.916,15.989 88.595,15.989 88.595,15.354
  region net NetC41_2: 86.487,16.739 84.252,16.739 83.109,17.882 82.042,17.882 82.042,18.313 82.017,18.339 83.718,18.339 84.455,17.602 86.487,17.602
  region net GND_S: 81.991,15.85 84.252,15.85 84.455,16.053 86.512,16.053 86.512,15.138 84.48,15.138 84.303,15.316 82.017,15.316 81.991,15.342
  region net NetR31_2: 77.851,18.466 76.606,18.466 75.794,19.279 75.794,19.507 74.803,19.507 74.803,18.694 75.743,18.694 76.606,17.831 77.851,17.831
  region net NetR30_2: 76.632,20.904 76.632,20.676 76.378,20.676
  region net NetR30_2: 75.768,20.142 75.768,20.371 76.022,20.371
  region net NetR30_2: 77.826,20.371 77.826,20.955 76.632,20.955 76.632,20.676 74.828,20.676 74.828,19.914 75.768,19.914 75.768,20.371
  region net NetC37_2: 77.761,21.68 77.761,22.133 76.718,22.133 76.566,21.981 75.093,21.981 75.067,21.955 75.067,21.196 75.782,21.196 76.266,21.68
  region net 3V3DC_S: 77.546,25.883 76.911,25.883 76.911,24.968 77.546,24.968
  region net GND_S: 77.216,6.35 76.581,6.35 76.581,5.436 77.216,5.436
  region net 3V3DC_S: 85.141,3.023 85.141,3.556 84.226,3.556 84.226,3.023
  region net NetR35_1: 81.026,3.048 81.026,3.531 80.112,3.531 80.112,3.048
  region net NetR37_2: 81.026,5.334 81.661,5.334 81.661,6.248 81.026,6.248
  region net NetC46_2: 78.892,5.334 78.892,4.699 79.807,4.699 79.807,5.334
  region net NetC46_2: 80.137,6.248 79.654,6.248 79.654,5.334 80.137,5.334
  region net NetC46_2: 79.604,6.248 79.604,6.883 78.689,6.883 78.689,6.248
  region net TMP_ADC: 80.035,7.671 80.188,7.671 80.239,7.722 80.239,8.636 80.162,8.712 74.651,8.712 74.397,8.966 73.228,8.966 73.025,8.763 73.025,8.052 73.381,7.696 74.828,7.696 74.879,7.696 74.93,7.696 78.13,7.696
  region net GND_S: 73.177,11.962 73,11.784 73,10.946 73.228,10.717 75.819,10.717 76.048,10.592 80.62,10.541 80.721,10.643 80.721,11.227 80.594,11.354 75.157,11.354 74.549,11.962
  region net 5VDC: 37.373,15.723 36.703,14.961 36.703,14.453 37.287,13.868 40.322,13.868 40.843,14.554 40.843,15.037 40.231,15.723
  region net 5VDC: 28.475,30.785 28.983,30.277 29.437,30.277 29.868,30.785
  region net 5VDC: 27,32.969 26.568,32.69 26.568,32.182 27,31.852
  region net 5VDC: 27.216,33.972 27.051,33.858 26.873,33.757 26.873,30.81 27.102,30.582 30.328,30.582 31.09,31.344 31.09,33.503 30.683,33.909 30.201,33.909
Int1 (GND) (plane layer: these items are gaps in the copper):
  rectangle: 72.561,10.405 75.105,12.601
  rectangle: 67.493,10.24 70.085,12.717
  rectangle: 15.58,16.248 16.053,16.705
  rectangle: 16.507,15.342 16.981,15.782
  rectangle: 17.43,16.235 17.877,16.688
  rectangle: 17.436,14.401 17.862,14.888
  rectangle: 15.601,14.387 16.053,14.866
  rectangle: 6.756,58.217 47.142,70.46
  rectangle: 6.756,69.825 71.831,80.493
  rectangle: 0.203,80.086 71.831,99.67
  rectangle: 0,6.604 5.232,27.864
  rectangle: 0.051,6.452 5.283,27.711
  lines w1.27: 71.374,0.305 71.374,36.068 71.73,36.424
Int2 (PWR) (plane layer: these items are gaps in the copper):
  rectangle: 72.795,12.051 74.96,13.966
  rectangle: 37.694,60.503 46.457,75.514
  rectangle: 0.152,60.401 37.821,75.438
  rectangle: 0.229,75.082 71.933,99.593
  lines w0.559: 13.106,49.047 16.637,45.517 16.637,37.211 18.186,35.662 20.637,35.662 21.819,35.662 22.555,36.398 22.555,44.069 19.507,47.117 19.507,49.86 23.768,54.121 58.236,54.121 71.044,66.929 71.044,72.746 70.18,73.609 68.377,73.609 67.666,72.898 67.666,70.231 64.313,66.878 54.381,66.878 51.003,70.256 51.003,72.295 51.003,73.228 50.19,74.041 48.438,74.041 47.041,72.644 47.041,69.215 49.149,67.107 49.149,63.144 49.149,61.563 47.041,59.455 18.256,59.455 13.106,54.305 13.106,49.047
  lines w0.762: 25.425,14.529 25.425,32.639 25.425,33.68 27,35.255 30.48,35.255 30.658,35.077 32.436,33.299 32.436,31.775 29.007,28.346 29.007,27.229 29.007,25.552 32.995,21.565 36.5,21.565 41.783,16.281 41.783,12.649 41.504,12.37 37.846,12.37 35.052,9.576 30.378,9.576 30.099,9.855 25.425,14.529
  lines w1.27: 71.399,0 71.399,35.611 72.06,36.271

## Silkscreen, mask and mechanical layers (free items; w line width, h text height)
Top Overlay:
  drawing of 3010 lines, arcs and shapes, not listed
  text "220V AC" at 2.703,98.499 h0.8
  text "12V DC" at 13.453,56.98 h0.8
  text "Prog." at 67.579,48.959 h0.8
  text "Designed by M.Fatih Ağaoğlu" at 70.415,18.159 h1 r90
  text "5V DC" at 32.374,16.894 h0.8
Top Solder:
  region: 65.921,37.729 ccw(c65.421,37.729) 65.421,38.229 ccw(c65.421,37.729) 64.921,37.729 ccw(c65.421,37.729) 65.421,37.229 ccw(c65.421,37.729)
Route Tool Path:
  lines w0.1: 71.584,4.703 71.584,5.155 ; 71.584,5.86 71.584,5.409 71.587,5.406 ; 71.589,3.991 71.589,4.442 ; 71.599,27.201 71.599,27.653 ; 71.599,28.358 71.599,27.907 71.602,27.904 ; 71.601,21.626 71.601,22.077 ; 71.601,22.783 71.601,22.331 71.604,22.328 ; 71.603,32.788 71.603,33.24 ; 71.603,33.945 71.603,33.494 71.606,33.491 ; 71.605,26.489 71.605,26.941 ; 71.606,20.913 71.606,21.365 ; 71.608,32.076 71.608,32.527 ; 71.611,10.392 71.611,10.843 ; 71.611,11.549 71.611,11.097 71.614,11.094 ; 71.617,9.679 71.617,10.131 ; 71.63,15.928 71.63,16.38 ; 71.63,17.085 71.63,16.634 71.633,16.631 ; 71.636,15.216 71.636,15.667 ; 71.882,5.409 71.882,5.86 ; 71.888,4.705 71.888,5.157 ; 71.891,3.99 71.891,4.442 ; 71.897,27.907 71.897,28.358 ; 71.899,22.331 71.899,22.783 ; 71.901,33.494 71.901,33.945 ; 71.903,27.203 71.903,27.655 ; 71.905,21.627 71.905,22.079 ; 71.906,26.488 71.906,26.94 ; 71.908,20.912 71.908,21.364 ; 71.907,32.79 71.907,33.242 ; 71.909,11.097 71.909,11.549 ; 71.91,32.075 71.91,32.527 ; 71.915,10.394 71.915,10.845 ; 71.918,9.679 71.918,10.13 ; 71.928,16.634 71.928,17.085 ; 71.934,15.93 71.934,16.382 ; 71.937,15.215 71.937,15.667
  lines w0.5: 71.737,6.247 71.737,9.104 ; 71.752,28.745 71.752,31.602 ; 71.756,0.574 71.756,3.431 ; 71.754,23.169 71.754,26.026 ; 71.756,34.332 71.756,37.189 71.756,99.959 72.326,100.528 -0.61,100.528 -0.688,100.45 -0.688,27.791 -0.634,27.737 ; 71.765,11.935 71.765,14.792 ; 71.784,17.472 71.784,20.329 ; 71.819,36.751 92.412,36.751 92.428,36.734 92.428,-0.488 92.433,-0.493 -0.662,-0.493 -0.672,-0.483 -0.672,6.435 -0.614,6.493 ; -0.634,27.737 -0.634,6.513 -0.614,6.493 ; -0.634,27.737 5.211,27.737 5.227,27.722 5.227,6.605 5.114,6.493 -0.614,6.493
  lines w1: 4.395,6.934 4.395,26.634 3.732,27.297 -0.133,27.297 -0.219,27.384 -0.219,6.905 -0.104,6.79 3.934,6.79 4.597,7.453 4.597,27.355 0.589,27.355 0.127,26.894 0.127,7.51 0.386,7.251 4.425,7.251 4.829,6.847
  lines w5: 2.175,9.068 2.175,24.846

## Text inside footprints (layer, text, board x,y; h text height)
BR1: Top Overlay "~" at 35.016,51.704 h1.52 r90; Top Overlay "~" at 34.916,56.804 h1.52 r90
J7: Top Overlay "1" at 70.884,15.029 h1.52 r90
J8: Bottom Overlay "1" at 71.854,15.054 h1.52 r270
S1: Top Overlay "G" at 80.777,29.101 h1; Top Overlay "S" at 84.577,27.001 h1; Top Overlay "D" at 81.954,24.054 h1
T1: Top Overlay "OUTPUT" at 39.754,59.154 h1; Top Overlay "INPUT" at 12.588,89.023 h1